# Altium PCB DDR3_Example.PcbDoc (part 1 of 6)
Units mm, origin at the board's own origin, x right, y up, seen from the top; angles counter-clockwise.
Board outline 133.38 x 30.03 mm, 6 copper layers (TOP, SPLIT1_L2, IN1_L3, IN2_L4, SPLIT2_L5, BOTTOM), stack 1.246 mm thick; 131 components, 227 nets, 1523 pads, 910 vias.
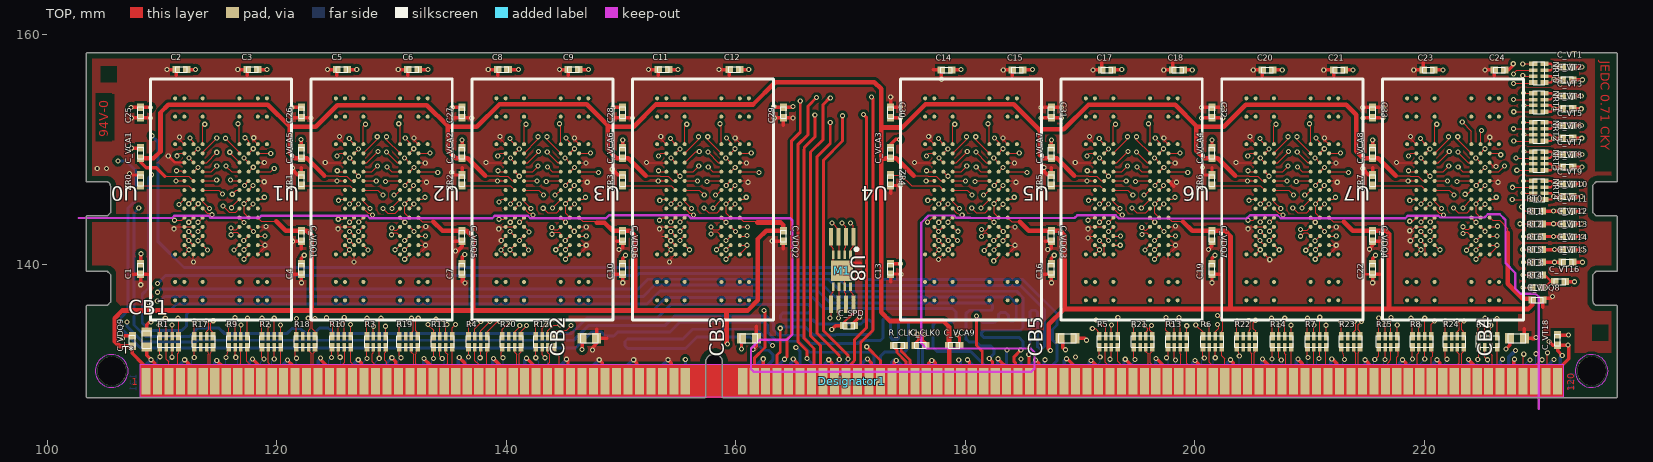
[diagram p0: TOP view]
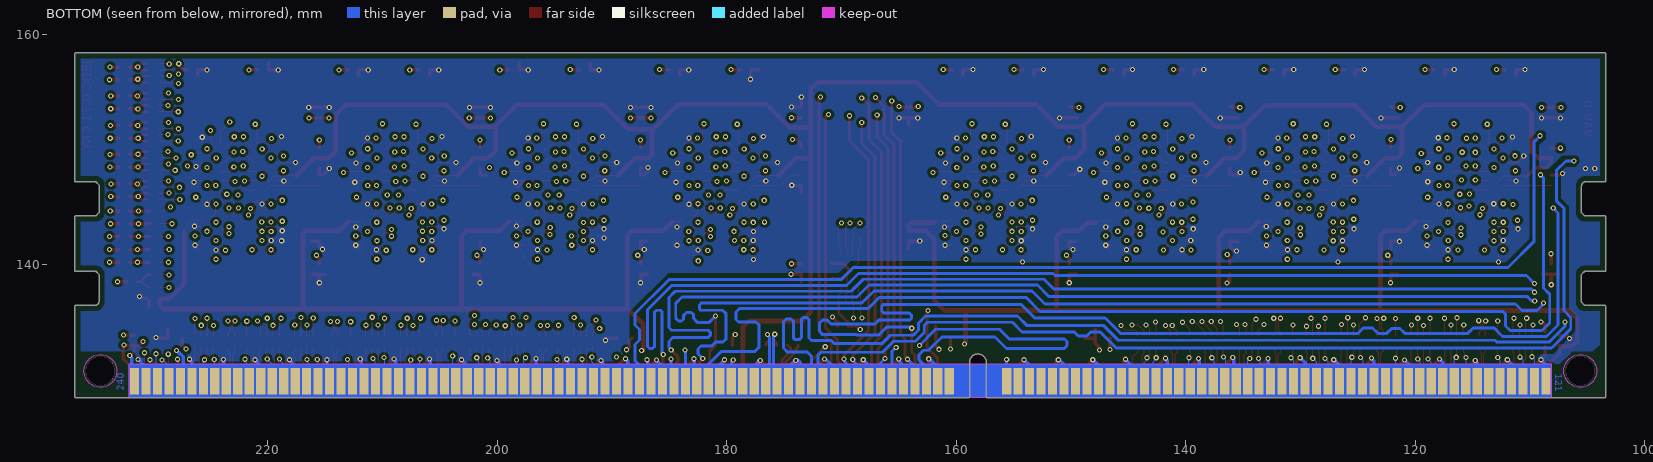
[diagram p1: BOTTOM view, seen from below]
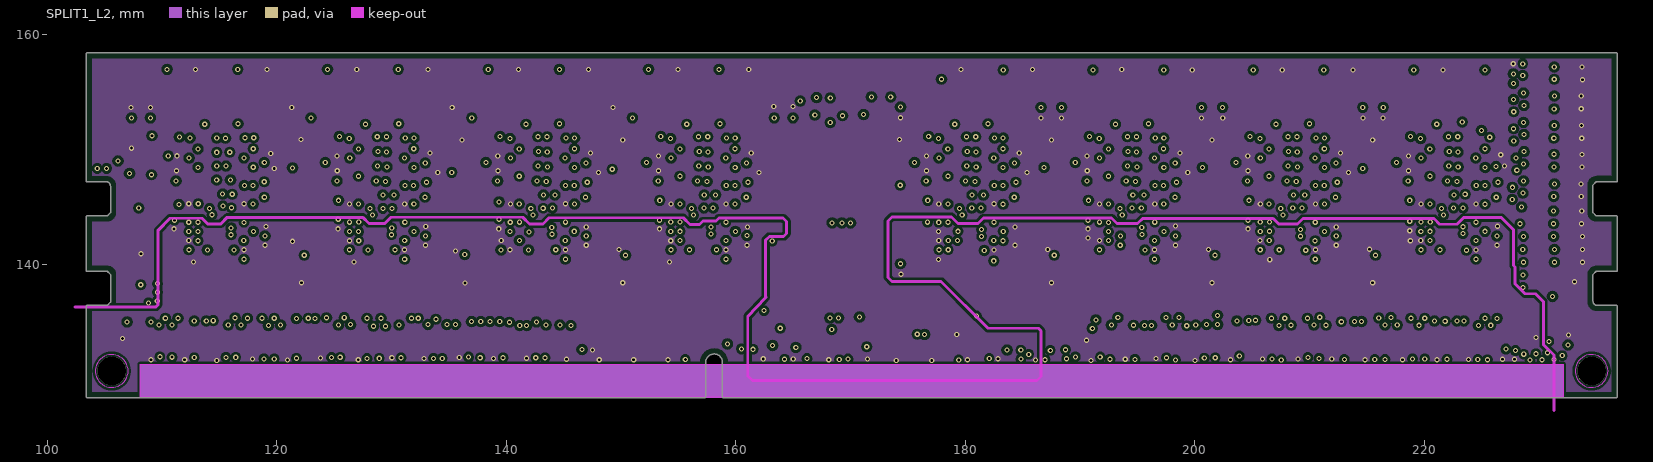
[diagram p2: SPLIT1_L2]
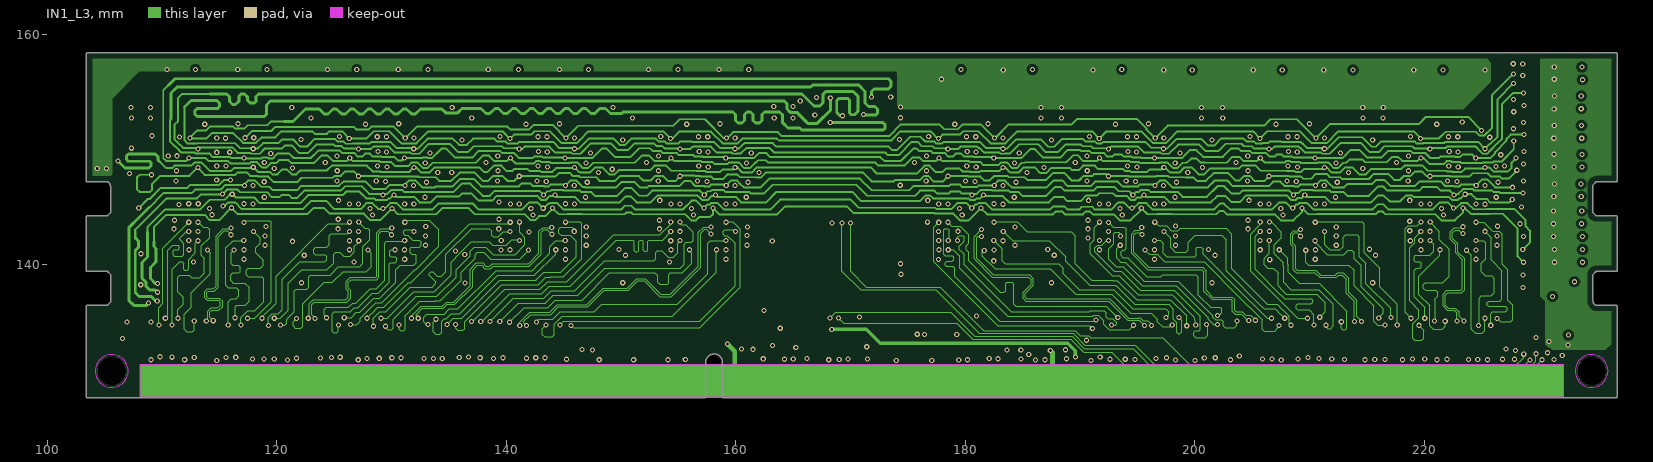
[diagram p3: IN1_L3]
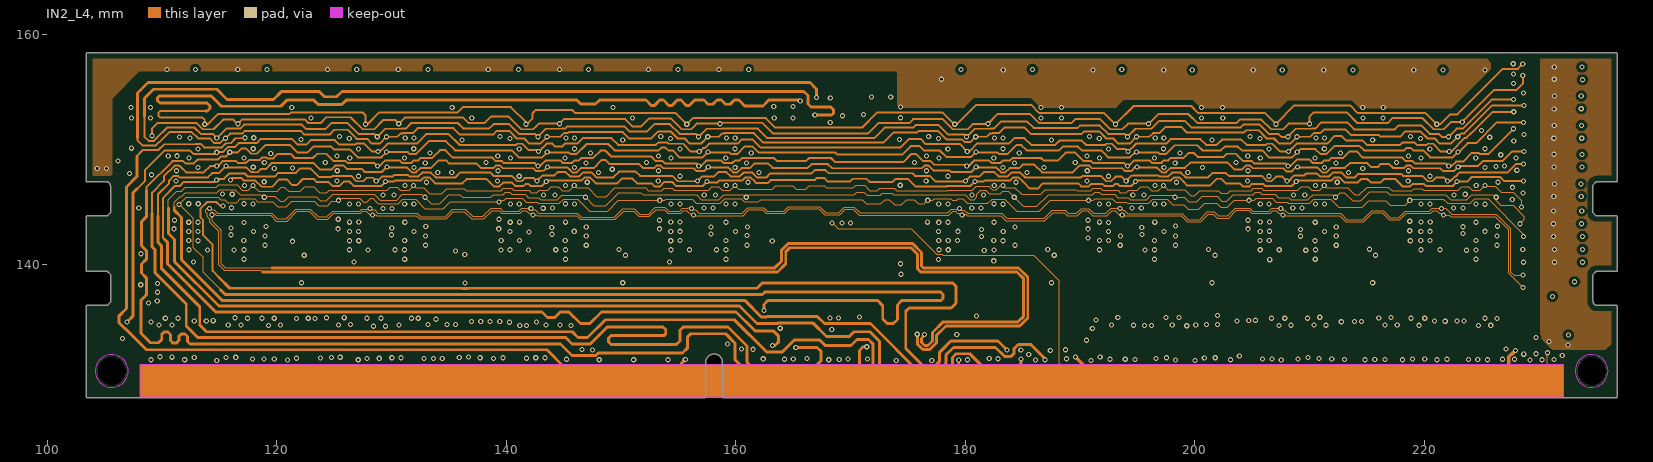
[diagram p4: IN2_L4]
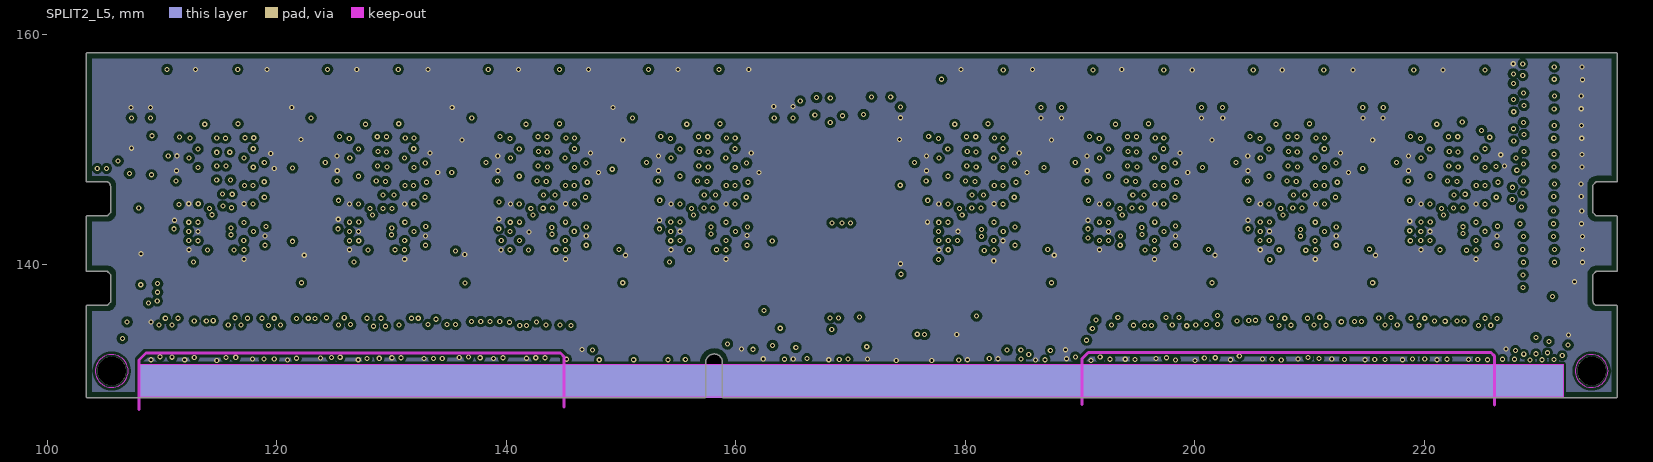
[diagram p5: SPLIT2_L5]

## Layer stack, top to bottom
TOP: signal copper 0.043
Dielectric: core 0.1, FR-4, Dk 4.2
SPLIT1_L2: signal copper 0.03
Dielectric: core 0.12, FR-4, Dk 4.2
IN1_L3: signal copper 0.03
Dielectric: core 0.6, FR-4, Dk 4.2
IN2_L4: signal copper 0.03
Dielectric: core 0.12, FR-4, Dk 4.2
SPLIT2_L5: signal copper 0.03
Dielectric: core 0.1, FR-4, Dk 4.2
BOTTOM: signal copper 0.043

## Board outline
103.413,128.38 103.426,128.367 157.351,128.367 157.364,128.38 157.364,131.427 157.364,131.429 cw(c158.147,131.384) 158.102,132.167 158.104,132.167 cw(c158.1,131.421) 158.838,131.53 158.838,128.38 158.851,128.367 236.776,128.367 236.789,128.38 236.789,136.38 236.776,136.393 234.979,136.393 cw(c235.099,136.785) 234.689,136.78 234.689,136.781 234.689,139.08 234.976,139.367 236.776,139.367 236.789,139.38 236.789,144.18 236.776,144.193 235.048,144.191 234.979,144.193 234.978,144.193 234.689,144.482 234.689,144.483 234.689,146.878 234.689,146.879 234.977,147.167 234.978,147.167 236.776,147.167 236.789,147.18 236.789,158.38 236.776,158.393 103.426,158.393 103.413,158.38 103.413,147.18 103.426,147.167 105.224,147.167 cw(c105.12,146.788) 105.513,146.788 105.513,146.78 105.513,146.779 105.513,144.482 105.513,144.481 105.225,144.193 105.224,144.193 103.426,144.193 103.413,144.18 103.413,139.38 103.426,139.367 105.226,139.367 105.513,139.08 105.513,136.682 105.513,136.68 105.226,136.393 105.224,136.393 103.426,136.393 103.413,136.38

## Design rules (kind name [scope] priority, off if disabled: settings)
Clearance [All] p1: gap=0.254
PlaneConnect [All] p1: planeconnectstyle=Direct reliefexpansion=0.508 reliefentries=4 reliefconductorwidth=0.254 reliefairgap=0.254
PolygonConnect [All] p1: connectstyle=Direct reliefconductorwidth=0.254 reliefentries=4 polygonreliefangle="90 Angle" airgapwidth=0.254
RoomDefinition CompsKeepOut5 [All vs False] p1: confinementstyle=ConfineOut formatcopy=TRUE lockcomponents=FALSE outline 235.888,130.68 235.844,131.02 235.712,131.336 235.504,131.608 235.232,131.816 234.916,131.948 234.576,131.992 234.236,131.948 233.92,131.816 233.648,131.608 233.44,131.336 233.308,131.02 233.264,130.68 233.308,130.34 233.44,130.024 233.648,129.752 233.92,129.544 234.236,129.412 234.576,129.368 234.916,129.412 235.232,129.544 235.504,129.752 235.712,130.024 235.844,130.34 235.888,130.68
RoomDefinition CompsKeepOut4 [All vs False] p2: confinementstyle=ConfineOut formatcopy=TRUE lockcomponents=FALSE outline 106.938,130.68 106.894,131.02 106.762,131.336 106.554,131.608 106.282,131.816 105.966,131.948 105.626,131.992 105.286,131.948 104.97,131.816 104.698,131.608 104.49,131.336 104.358,131.02 104.314,130.68 104.358,130.34 104.49,130.024 104.698,129.752 104.97,129.544 105.286,129.412 105.626,129.368 105.966,129.412 106.282,129.544 106.554,129.752 106.762,130.024 106.894,130.34 106.938,130.68
RoomDefinition CompsKeepin3 [All vs False] p3: confinementstyle=ConfineIn formatcopy=TRUE lockcomponents=FALSE outline 105.426,157.88 234.776,157.88 234.776,148.451 234.58,148.355 234.393,148.243 234.217,148.114 234.053,147.971 233.901,147.814 233.764,147.644 233.643,147.463 233.537,147.272 233.449,147.073 233.378,146.867 233.325,146.655 233.292,146.44 233.277,146.222 233.276,146.16 233.276,132.38 174.913,132.38 173.289,132.38 159.416,132.38 159.416,132.79 159.146,132.79 157.186,132.79 156.856,132.79 156.856,132.38 106.926,132.38 106.926,146.16 106.916,146.378 106.888,146.594 106.841,146.807 106.775,147.015 106.692,147.217 106.591,147.41 106.474,147.594 106.341,147.767 106.194,147.928 106.033,148.075 105.86,148.208 105.676,148.325 105.483,148.426 105.426,148.451 105.426,157.88
RoomDefinition CompsKeepOut2 [All vs False] p4: confinementstyle=ConfineOut formatcopy=TRUE lockcomponents=FALSE outline 235.888,130.68 235.844,131.02 235.712,131.336 235.504,131.608 235.232,131.816 234.916,131.948 234.576,131.992 234.236,131.948 233.92,131.816 233.648,131.608 233.44,131.336 233.308,131.02 233.264,130.68 233.308,130.34 233.44,130.024 233.648,129.752 233.92,129.544 234.236,129.412 234.576,129.368 234.916,129.412 235.232,129.544 235.504,129.752 235.712,130.024 235.844,130.34 235.888,130.68
RoomDefinition CompsKeepOut1 [All vs False] p5: confinementstyle=ConfineOut formatcopy=TRUE lockcomponents=FALSE outline 106.938,130.68 106.894,131.02 106.762,131.336 106.554,131.608 106.282,131.816 105.966,131.948 105.626,131.992 105.286,131.948 104.97,131.816 104.698,131.608 104.49,131.336 104.358,131.02 104.314,130.68 104.358,130.34 104.49,130.024 104.698,129.752 104.97,129.544 105.286,129.412 105.626,129.368 105.966,129.412 106.282,129.544 106.554,129.752 106.762,130.024 106.894,130.34 106.938,130.68
RoomDefinition CompsKeepin0 [All vs False] p6: confinementstyle=ConfineIn formatcopy=TRUE lockcomponents=FALSE outline 105.426,157.88 234.776,157.88 234.776,148.451 234.58,148.355 234.393,148.243 234.217,148.114 234.053,147.971 233.901,147.814 233.764,147.644 233.643,147.463 233.537,147.272 233.449,147.073 233.378,146.867 233.325,146.655 233.292,146.44 233.277,146.222 233.276,146.16 233.276,132.38 174.913,132.38 173.289,132.38 159.416,132.38 159.416,132.79 159.146,132.79 157.186,132.79 156.856,132.79 156.856,132.38 106.926,132.38 106.926,146.16 106.916,146.378 106.888,146.594 106.841,146.807 106.775,147.015 106.692,147.217 106.591,147.41 106.474,147.594 106.341,147.767 106.194,147.928 106.033,148.075 105.86,148.208 105.676,148.325 105.483,148.426 105.426,148.451 105.426,157.88
RoutingVias [All] p1: holewidth=0.711 width=1.27 viastyle="Through Hole" minholewidth=0.711 minwidth=1.27 maxholewidth=0.711 maxwidth=1.27
SolderMaskExpansion [All] p1: expansion=0.102
Width [All] p1: maxlimit=0.254 minlimit=0.254 preferedwidth=0.254 impedancedriven=TRUE minimp=58.070000 maximp=58.410000 favimp=58.040000
27 further rules are at their usual default settings.

## Components (designator, comment, footprint, x,y, rotation, side; value= is the part's Value field where it differs from the comment)
C1 "SMC0402-0.1 UF,+80/-20% ,50V-+A" CHIP0402 108.15,139.575 r90 top
C2 "SMC0402-0.1 UF,+80/-20% ,50V-+A" CHIP0402 111.699,156.942 r0 top
C3 "SMC0402-0.1 UF,+80/-20% ,50V-+A" CHIP0402 117.875,156.942 r0 top
C4 "SMC0402-0.1 UF,+80/-20% ,50V-+A" CHIP0402 122.15,139.575 r90 top
C5 "SMC0402-0.1 UF,+80/-20% ,50V-+A" CHIP0402 125.699,156.942 r0 top
C6 "SMC0402-0.1 UF,+80/-20% ,50V-+A" CHIP0402 131.875,156.942 r0 top
C7 "SMC0402-0.1 UF,+80/-20% ,50V-+A" CHIP0402 136.15,139.575 r90 top
C8 "SMC0402-0.1 UF,+80/-20% ,50V-+A" CHIP0402 139.699,156.942 r0 top
C9 "SMC0402-0.1 UF,+80/-20% ,50V-+A" CHIP0402 145.875,156.942 r0 top
C10 "SMC0402-0.1 UF,+80/-20% ,50V-+A" CHIP0402 150.15,139.575 r90 top
C11 "SMC0402-0.1 UF,+80/-20% ,50V-+A" CHIP0402 153.699,156.942 r0 top
C12 "SMC0402-0.1 UF,+80/-20% ,50V-+A" CHIP0402 159.899,156.942 r0 top
C13 "SMC0402-0.1 UF,+80/-20% ,50V-+A" CHIP0402 173.5,139.575 r90 top
C14 "SMC0402-0.1 UF,+80/-20% ,50V-+A" CHIP0402 178.349,156.913 r0 top
C15 "SMC0402-0.1 UF,+80/-20% ,50V-+A" CHIP0402 184.549,156.913 r0 top
C16 "SMC0402-0.1 UF,+80/-20% ,50V-+A" CHIP0402 187.5,139.575 r90 top
C17 "SMC0402-0.1 UF,+80/-20% ,50V-+A" CHIP0402 192.349,156.913 r0 top
C18 "SMC0402-0.1 UF,+80/-20% ,50V-+A" CHIP0402 198.549,156.913 r0 top
C19 "SMC0402-0.1 UF,+80/-20% ,50V-+A" CHIP0402 201.5,139.575 r90 top
C20 "SMC0402-0.1 UF,+80/-20% ,50V-+A" CHIP0402 206.349,156.913 r0 top
C21 "SMC0402-0.1 UF,+80/-20% ,50V-+A" CHIP0402 212.549,156.913 r0 top
C22 "SMC0402-0.1 UF,+80/-20% ,50V-+A" CHIP0402 215.5,139.575 r90 top
C23 "SMC0402-0.1 UF,+80/-20% ,50V-+A" CHIP0402 220.349,156.913 r0 top
C24 "SMC0402-0.1 UF,+80/-20% ,50V-+A" CHIP0402 226.549,156.913 r0 top
C25 "SMC0402-0.1 UF,+80/-20% ,50V-+A" CHIP0402 108.15,153.2 r90 top
C26 "SMC0402-0.1 UF,+80/-20% ,50V-+A" CHIP0402 122.15,153.2 r90 top
C27 "SMC0402-0.1 UF,+80/-20% ,50V-+A" CHIP0402 136.15,153.2 r90 top
C28 "SMC0402-0.1 UF,+80/-20% ,50V-+A" CHIP0402 150.15,153.2 r90 top
C29 "SMC0402-0.1 UF,+80/-20% ,50V-+A" CHIP0402 164.15,153.2 r90 top
C30 "SMC0402-0.1 UF,+80/-20% ,50V-+A" CHIP0402 173.491,153.194 r270 top
C31 "SMC0402-0.1 UF,+80/-20% ,50V-+A" CHIP0402 187.491,153.194 r270 top
C32 "SMC0402-0.1 UF,+80/-20% ,50V-+A" CHIP0402 201.491,153.194 r270 top
C33 "SMC0402-0.1 UF,+80/-20% ,50V-+A" CHIP0402 215.491,153.194 r270 top
C_CLK0 "SMC0402-2.2 PF,+/-0.25PF .50V-A" CHIP0402 176.109,132.915 r0 top
C_SPD "SMC0402-0.1 UF,+80/-20% ,50V-+A" CHIP0402 169.854,134.625 r0 top
C_VCA1 "SMC0402-0.1 UF,+80/-20% ,50V-+A" CHIP0402 108.15,149.667 r90 top
C_VCA2 "SMC0402-0.1 UF,+80/-20% ,50V-+A" CHIP0402 136.15,149.667 r90 top
C_VCA3 "SMC0402-0.1 UF,+80/-20% ,50V-+A" CHIP0402 173.5,149.667 r90 top
C_VCA4 "SMC0402-0.1 UF,+80/-20% ,50V-+A" CHIP0402 201.5,149.667 r90 top
C_VCA5 "SMC0402-0.1 UF,+80/-20% ,50V-+A" CHIP0402 122.15,149.667 r90 top
C_VCA6 "SMC0402-0.1 UF,+80/-20% ,50V-+A" CHIP0402 150.15,149.667 r90 top
C_VCA7 "SMC0402-0.1 UF,+80/-20% ,50V-+A" CHIP0402 187.5,149.667 r90 top
C_VCA8 "SMC0402-0.1 UF,+80/-20% ,50V-+A" CHIP0402 215.5,149.667 r90 top
C_VCA9 "SMC0402-0.1 UF,+80/-20% ,50V-+A" CHIP0402 179.039,132.915 r0 top
C_VDQ1 "SMC0402-0.1 UF,+80/-20% ,50V-+A" CHIP0402 122.14,142.433 r270 top
C_VDQ2 "SMC0402-0.1 UF,+80/-20% ,50V-+A" CHIP0402 164.14,142.433 r270 top
C_VDQ3 "SMC0402-0.1 UF,+80/-20% ,50V-+A" CHIP0402 187.49,142.433 r270 top
C_VDQ4 "SMC0402-0.1 UF,+80/-20% ,50V-+A" CHIP0402 215.49,142.433 r270 top
C_VDQ5 "SMC0402-0.1 UF,+80/-20% ,50V-+A" CHIP0402 136.14,142.433 r270 top
C_VDQ6 "SMC0402-0.1 UF,+80/-20% ,50V-+A" CHIP0402 150.14,142.433 r270 top
C_VDQ7 "SMC0402-0.1 UF,+80/-20% ,50V-+A" CHIP0402 201.49,142.433 r270 top
C_VDQ8 "SMC0402-0.1 UF,+80/-20% ,50V-+A" CHIP0402 229.863,136.872 r0 top
C_VDQ9 "SMC0402-0.1 UF,+80/-20% ,50V-+A" CHIP0402 107.421,133.283 r90 top
C_VT1 "SMC0402-0.1 UF,+80/-20% ,50V-+A" CHIP0402 232.492,157.16 r0 top
C_VT2 "SMC0402-0.1 UF,+80/-20% ,50V-+A" CHIP0402 232.492,156.05 r0 top
C_VT3 "SMC0402-0.1 UF,+80/-20% ,50V-+A" CHIP0402 232.492,154.64 r0 top
C_VT4 "SMC0402-0.1 UF,+80/-20% ,50V-+A" CHIP0402 232.492,153.53 r0 top
C_VT5 "SMC0402-0.1 UF,+80/-20% ,50V-+A" CHIP0402 232.492,152.07 r0 top
C_VT6 "SMC0402-0.1 UF,+80/-20% ,50V-+A" CHIP0402 232.492,150.96 r0 top
C_VT7 "SMC0402-0.1 UF,+80/-20% ,50V-+A" CHIP0402 232.492,149.55 r0 top
C_VT8 "SMC0402-0.1 UF,+80/-20% ,50V-+A" CHIP0402 232.492,148.44 r0 top
C_VT9 "SMC0402-0.1 UF,+80/-20% ,50V-+A" CHIP0402 232.492,146.975 r0 top
C_VT10 "SMC0402-0.1 UF,+80/-20% ,50V-+A" CHIP0402 232.492,145.875 r0 top
C_VT11 "SMC0402-0.1 UF,+80/-20% ,50V-+A" CHIP0402 232.492,144.604 r0 top
C_VT12 "SMC0402-0.1 UF,+80/-20% ,50V-+A" CHIP0402 232.492,143.504 r0 top
C_VT13 "SMC0402-0.1 UF,+80/-20% ,50V-+A" CHIP0402 232.492,142.394 r0 top
C_VT14 "SMC0402-0.1 UF,+80/-20% ,50V-+A" CHIP0402 232.492,141.254 r0 top
C_VT15 "SMC0402-0.1 UF,+80/-20% ,50V-+A" CHIP0402 232.492,140.154 r0 top
C_VT16 "SMC0402-0.1 UF,+80/-20% ,50V-+A" CHIP0402 231.814,138.459 r0 top
C_VT18 "SMC0402-0.1 UF,+80/-20% ,50V-+A" CHIP0402 231.611,133.383 r90 top
CB1 "SMC0603-2.2 UF,+80/-20% ,50V-+A" SMC0603 108.666,133.318 r0 top
CB2 "SMC0603-2.2 UF,+80/-20% ,50V-+A" SMC0603 147.348,133.53 r90 top
CB3 "SMC0603-2.2 UF,+80/-20% ,50V-+A" SMC0603 161.258,133.53 r90 top
CB4 "SMC0603-2.2 UF,+80/-20% ,50V-+A" SMC0603 228.188,133.53 r90 top
CB5 "SMC0603-2.2 UF,+80/-20% ,50V-+A" SMC0603 189.018,133.53 r90 top
Designator1 "CONN240_DDR3" CONN240_DDR3 170.108,129.72 r0 top
M1 "EEPROM_TSOP" SSOP8_65MM 169.271,139.42 r270 top
NRT0 "RPACK0402_4P-39 OHM,+/- 5%-+/-A" RPACK0402_4P 229.976,156.63 r270 top
NRT1 "RPACK0402_4P-39 OHM,+/- 5%-+/-A" RPACK0402_4P 229.976,154.08 r270 top
NRT2 "RPACK0402_4P-39 OHM,+/- 5%-+/-A" RPACK0402_4P 229.976,151.53 r270 top
NRT3 "RPACK0402_4P-39 OHM,+/- 5%-+/-A" RPACK0402_4P 229.976,148.98 r270 top
NRT4 "RPACK0402_4P-39 OHM,+/- 5%-+/-A" RPACK0402_4P 229.976,146.43 r270 top
R1 "RPACK0402_4P-15 OHM,+/- 5%-+/-A" RPACK0402_4P 110.626,133.23 r0 top
R2 "RPACK0402_4P-15 OHM,+/- 5%-+/-A" RPACK0402_4P 119.526,133.23 r0 top
R3 "RPACK0402_4P-15 OHM,+/- 5%-+/-A" RPACK0402_4P 128.676,133.23 r0 top
R4 "RPACK0402_4P-15 OHM,+/- 5%-+/-A" RPACK0402_4P 137.526,133.23 r0 top
R5 "RPACK0402_4P-15 OHM,+/- 5%-+/-A" RPACK0402_4P 192.476,133.23 r0 top
R6 "RPACK0402_4P-15 OHM,+/- 5%-+/-A" RPACK0402_4P 201.526,133.23 r0 top
R7 "RPACK0402_4P-15 OHM,+/- 5%-+/-A" RPACK0402_4P 210.626,133.23 r0 top
R8 "RPACK0402_4P-15 OHM,+/- 5%-+/-A" RPACK0402_4P 219.776,133.23 r0 top
R9 "RPACK0402_4P-15 OHM,+/- 5%-+/-A" RPACK0402_4P 116.626,133.23 r0 top
R10 "RPACK0402_4P-15 OHM,+/- 5%-+/-A" RPACK0402_4P 125.626,133.23 r0 top
R11 "RPACK0402_4P-15 OHM,+/- 5%-+/-A" RPACK0402_4P 134.476,133.23 r0 top
R12 "RPACK0402_4P-15 OHM,+/- 5%-+/-A" RPACK0402_4P 143.376,133.23 r0 top
R13 "RPACK0402_4P-15 OHM,+/- 5%-+/-A" RPACK0402_4P 198.476,133.23 r0 top
R14 "RPACK0402_4P-15 OHM,+/- 5%-+/-A" RPACK0402_4P 207.576,133.23 r0 top
R15 "RPACK0402_4P-15 OHM,+/- 5%-+/-A" RPACK0402_4P 216.826,133.23 r0 top
R16 "RPACK0402_4P-15 OHM,+/- 5%-+/-A" RPACK0402_4P 225.526,133.23 r0 top
R17 "RPACK0402_4P-15 OHM,+/- 5%-+/-A" RPACK0402_4P 113.626,133.23 r0 top
R18 "RPACK0402_4P-15 OHM,+/- 5%-+/-A" RPACK0402_4P 122.526,133.23 r0 top
R19 "RPACK0402_4P-15 OHM,+/- 5%-+/-A" RPACK0402_4P 131.476,133.23 r0 top
R20 "RPACK0402_4P-15 OHM,+/- 5%-+/-A" RPACK0402_4P 140.476,133.23 r0 top
R21 "RPACK0402_4P-15 OHM,+/- 5%-+/-A" RPACK0402_4P 195.476,133.23 r0 top
R22 "RPACK0402_4P-15 OHM,+/- 5%-+/-A" RPACK0402_4P 204.476,133.23 r0 top
R23 "RPACK0402_4P-15 OHM,+/- 5%-+/-A" RPACK0402_4P 213.576,133.23 r0 top
R24 "RPACK0402_4P-15 OHM,+/- 5%-+/-A" RPACK0402_4P 222.626,133.23 r0 top
R_CLK1 "SMR0402-75 OHM,+/- 5%-+/- 5%" CHIP0402 174.237,132.915 r0 top
RT0 "SMR0402-39 OHM,+/- 5%-+/- 5%" CHIP0402 229.829,144.604 r0 top
RT1 "SMR0402-39 OHM,+/- 5%-+/- 5%" CHIP0402 229.829,143.504 r0 top
RT2 "SMR0402-39 OHM,+/- 5%-+/- 5%" CHIP0402 229.829,142.394 r0 top
RT3 "SMR0402-36 OHM,+/- 5%-+/- 5%" CHIP0402 229.829,139.054 r0 top
RT4 "SMR0402-36 OHM,+/- 5%-+/- 5%" CHIP0402 229.829,137.944 r0 top
RT5 "SMR0402-39 OHM,+/- 5%-+/- 5%" CHIP0402 229.829,140.154 r0 top
RT6 "SMR0402-39 OHM,+/- 5%-+/- 5%" CHIP0402 229.829,141.254 r0 top
U0 "78BALLFBGA" DDR3_FBGA78X8 115.146,145.643 r180 top
U1 "78BALLFBGA" DDR3_FBGA78X8 129.146,145.643 r180 top
U2 "78BALLFBGA" DDR3_FBGA78X8 143.146,145.643 r180 top
U3 "78BALLFBGA" DDR3_FBGA78X8 157.146,145.643 r180 top
U4 "78BALLFBGA" DDR3_FBGA78X8 180.496,145.643 r180 top
U5 "78BALLFBGA" DDR3_FBGA78X8 194.496,145.643 r180 top
U6 "78BALLFBGA" DDR3_FBGA78X8 208.496,145.643 r180 top
U7 "78BALLFBGA" DDR3_FBGA78X8 222.496,145.643 r180 top
U8 "EEPROM_DDR" EEPROM_MLF_8PIN 169.246,139.42 r270 top
ZR0 "SMR0402-240 OHM,+/- 1%-+/- 1%" CHIP0402 108.15,147.304 r90 top
ZR1 "SMR0402-240 OHM,+/- 1%-+/- 1%" CHIP0402 122.15,147.303 r90 top
ZR2 "SMR0402-240 OHM,+/- 1%-+/- 1%" CHIP0402 136.15,147.303 r90 top
ZR3 "SMR0402-240 OHM,+/- 1%-+/- 1%" CHIP0402 150.15,147.303 r90 top
ZR4 "SMR0402-240 OHM,+/- 1%-+/- 1%" CHIP0402 173.49,147.297 r270 top
ZR5 "SMR0402-240 OHM,+/- 1%-+/- 1%" CHIP0402 187.5,147.303 r90 top
ZR6 "SMR0402-240 OHM,+/- 1%-+/- 1%" CHIP0402 201.5,147.303 r90 top
ZR7 "SMR0402-240 OHM,+/- 1%-+/- 1%" CHIP0402 215.5,147.303 r90 top
